# Altium PCB Charge_station.PcbDoc (part 2 of 2)
Units mm, origin at the board's own origin, x right, y up, seen from the top; angles counter-clockwise.
Board outline 126 x 126 mm, 2 copper layers (Top Layer, Bottom Layer), stack 1.09 mm thick; 165 components, 138 nets, 587 pads, 211 vias.
Unrouted connection lines stored in the file: 188.
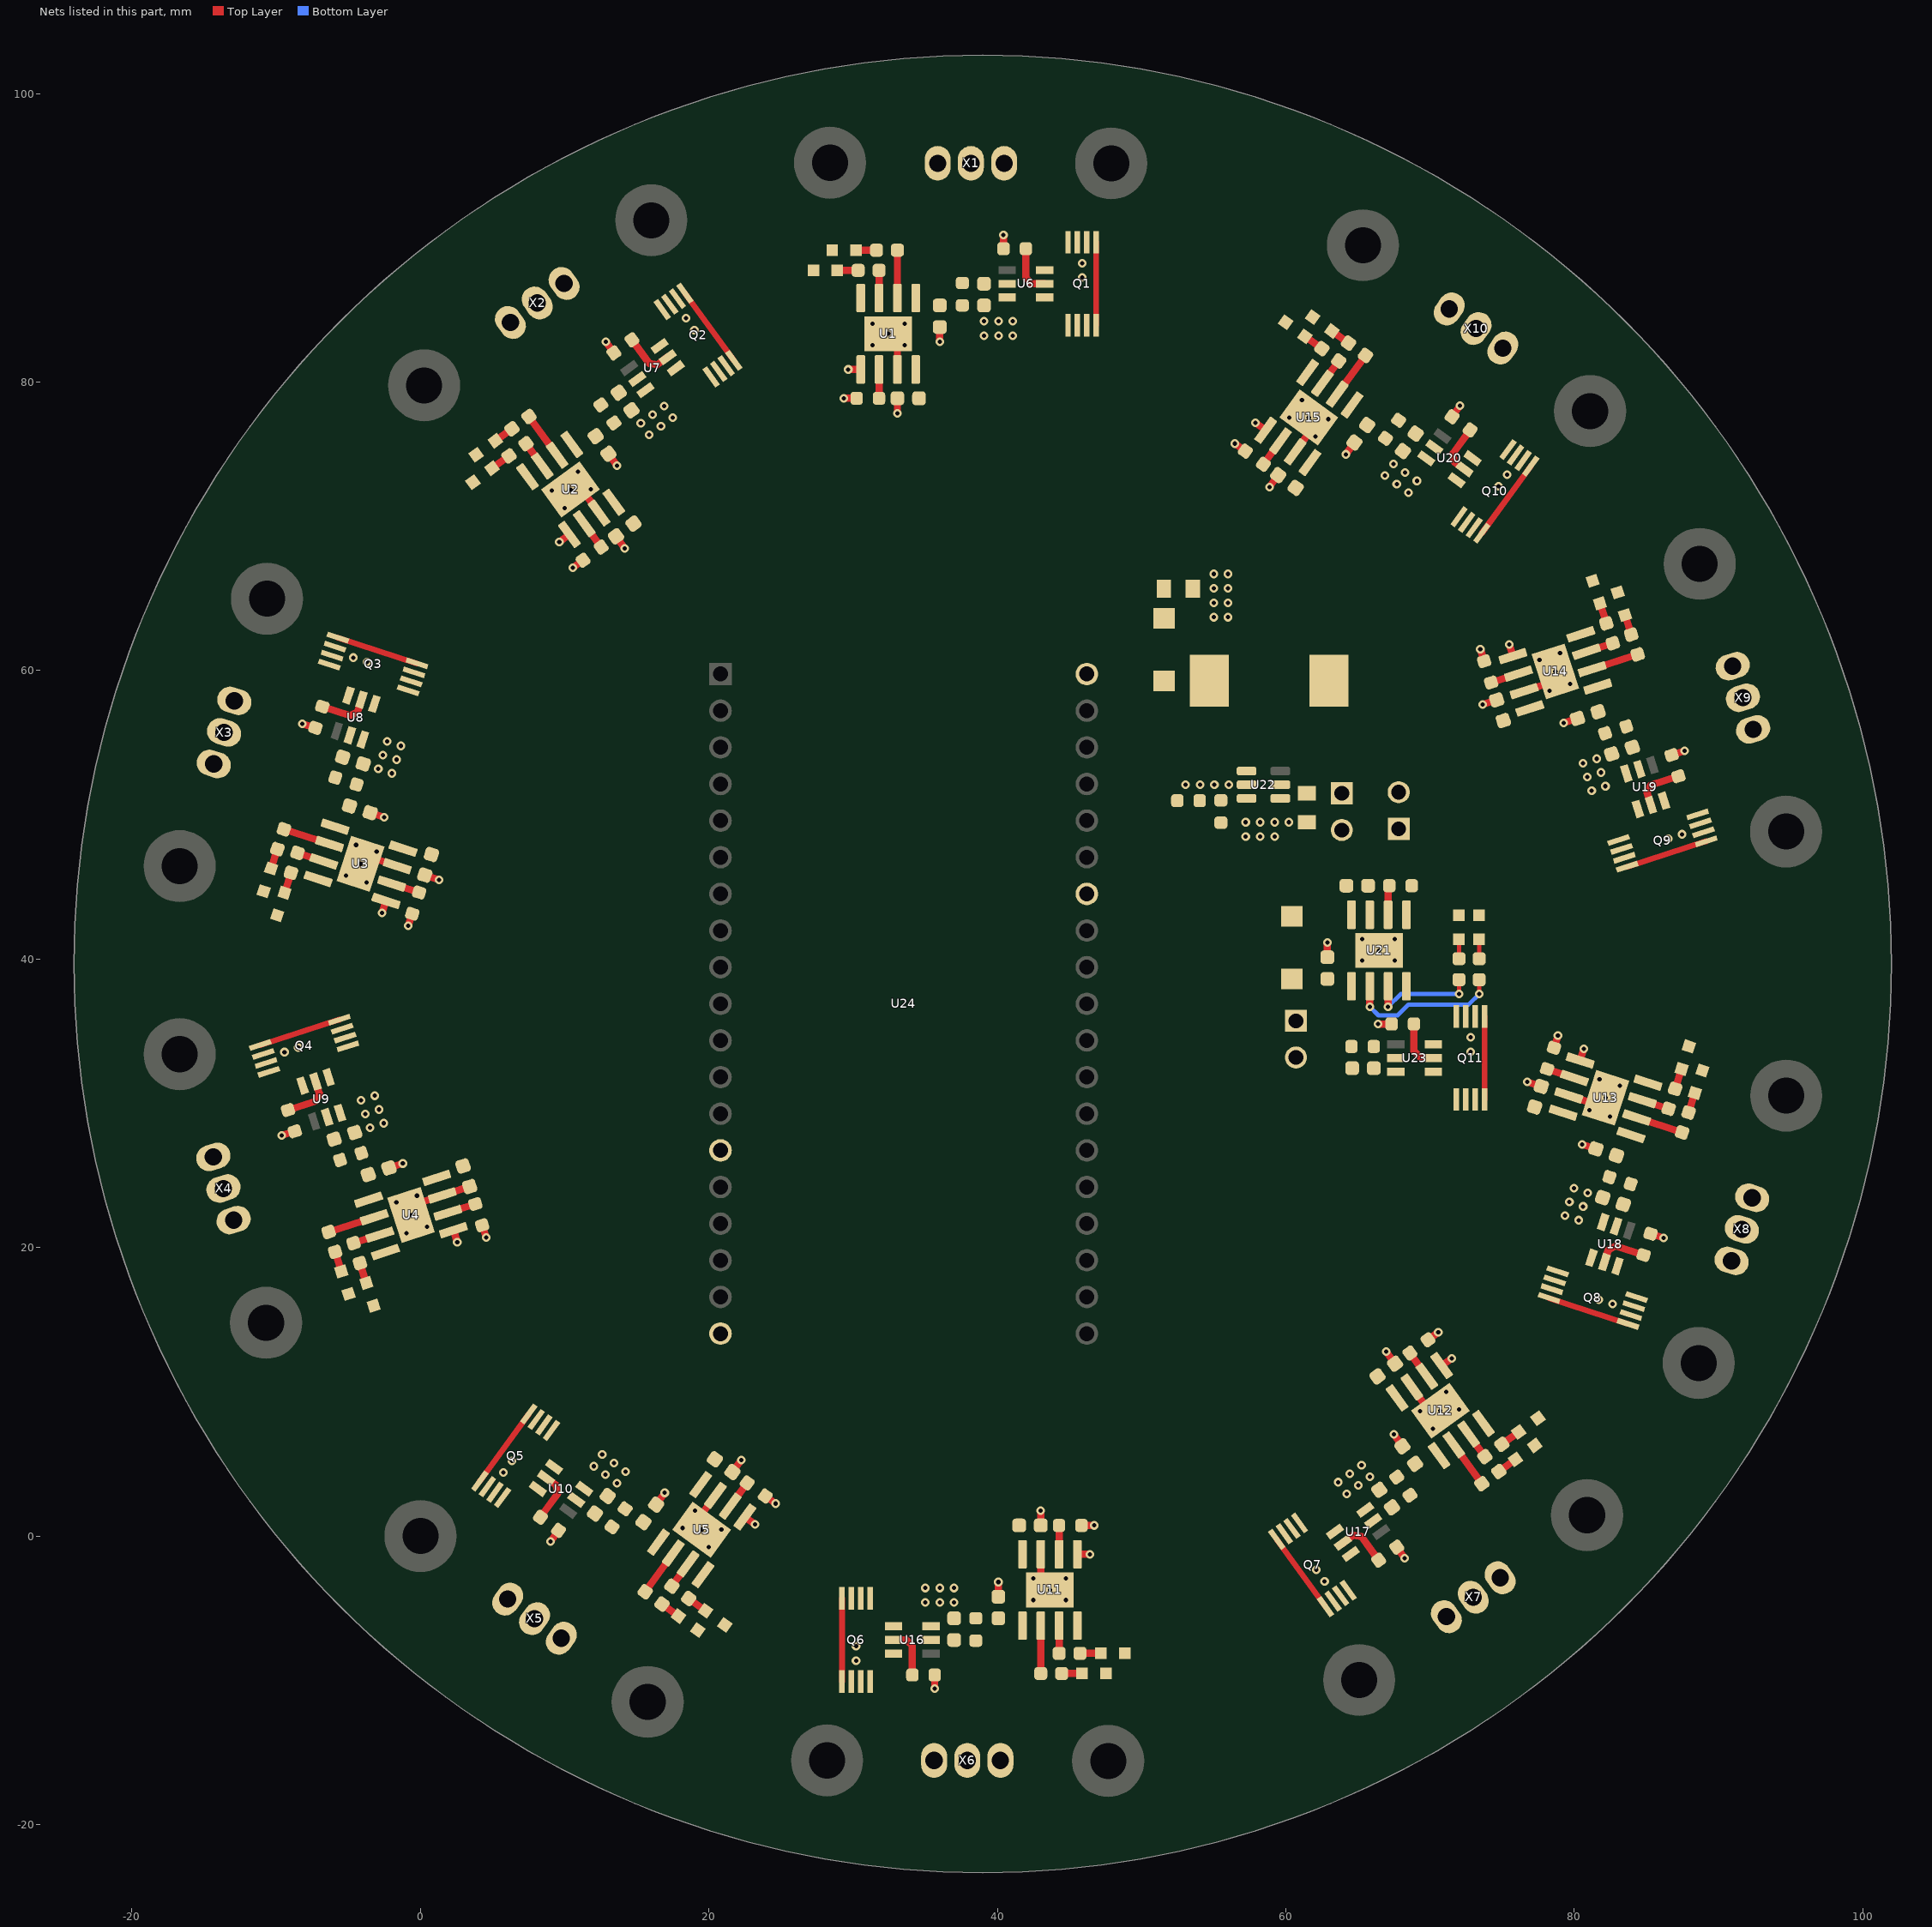
[diagram p2: the nets of this part, all layers, seen from the top]

## Part data
C1 C2 C3 C4 C5 C6 C7 C8 C9 C10 C16 C17 C18 C19 C20 C21 C22 C23 C24 C25 C31 C33: library part 5414, Manufacturer=muRata, ManufacturerPartnumber=GRM188R61C106MAAL, Temp_Range="-55°C to +85°C", Voltage_Range=16V, AuthorCreation_Comp=altium_lib_sch_p, AuthorModification_Comp=altium_lib_sch_p, BOM="Конденсатор 0603 10 uF ±20% 16V X5R    GRM188R61C106MAAL muRata", Comp_Class_Name="Capacitors Chip SMD 0603", Comp_Class_Number=200004, Comp_Description="Capacitor 0603 10 uF ±20% 16V X5R", Comp_ID=200004-119, ComponentLink1Description=MANUFACTURER_URL, ComponentLink1URL=http://psearch.murata.com/capacitor/product/GRM188R60J226MEA0%23.html, Footprint_Description="Chip Capacitor EIA 0603. METRIC 1608, 2-Leads, Body 1,6x0,8mm, IPC Medium Density", HelpURL=\\corp1\RNDlibrary\_Library\Altium_lib\Datasheet\muRata\Chip_Monolithic_Ceramic_Capacitors\c02e.pdf, Human_Readable="Конденсатор 0603 10 uF ±20% 16V X5R", Lib_Description=Capacitor, Number_Base=5414, Precision=±20%, Price=0,0599999986588955, TimeCreation_Comp="18.05.2016 16:00:24", TimeModification_Comp="18.05.2016 16:13:18", Verified=N
C11 C12 C13 C14 C15 C26 C27 C28 C29 C30 C35: library part 6202, Dielectric=X7R, Manufacturer=TDK, ManufacturerPartnumber=C1608X7R1H104K, Temp_Range="-55°C to +125°C", Voltage_Range="50 V", AuthorCreation_Comp=anosova, AuthorModification_Comp=anosova, BOM="Capacitors 0603 0.1 uF ±10% 50V X7R    C1608X7R1H104K TDK", Comp_Class_Name="Capacitors Chip SMD 0603", Comp_Class_Number=200004, Comp_Description="Capacitors 0603 0.1 uF ±10% 50V X7R", Comp_ID=200004-122, ComponentLink1Description=MANUFACTURER_URL, ComponentLink1URL=https://media.digikey.com/pdf/Data%20Sheets/TDK%20PDFs/C_Series_GeneralAppl_B11.pdf, Footprint_Description="Chip Capacitor EIA 0603. METRIC 1608, 2-Leads, Body 1,60x0,8mm, IPC Medium Density", HelpURL=\\corp1\RNDlibrary\_Library\Altium_lib\Datasheet\TDK\Ceramic_Capacitors_C-Series\cseries.pdf, Human_Readable="Capacitors 0603 0.1 uF ±10% 50V X7R", Lib_Description=Capacitor, Number_Base=6202, Precision="± 10%", TimeCreation_Comp="29.10.2021 11:15:01", TimeModification_Comp="29.10.2021 11:29:43", Verified=N
C32 C34: library part 4014, Dielectric=X7R, Manufacturer=muRata, ManufacturerPartnumber=GRM21BR71A106KE51L, Temp_Range="-55 to 125°C", Voltage_Range=10V, BOM="Конденсатор 0805 10 uF ±10% 10V X7R    GRM21BR71A106KE51L muRata", Comp_Class_Name="Capacitors Chip SMD 0805", Comp_Class_Number=200005, Comp_Description="Capacitors 0805 10 uF ±10% 10V X7R", Comp_ID=200005-0069, ComponentLink1Description=MANUFACTURER_URL, ComponentLink1URL=http://www.murata.com/products/catalog/pdf/c02e.pdf, Footprint_Description="Chip Capacitor EIA 0805. METRIC 2012, 2-Leads, Body 2,0x1,2mm, IPC Medium Density", HelpURL=\\corp1\RNDlibrary\_Library\Altium_lib\Datasheet\muRata\Chip_Monolithic_Ceramic_Capacitors\Chip_Monolithic_Ceramic_Capacitors.pdf, Human_Readable="Конденсатор 0805 10 uF ±10% 10V X7R", Lib_Description=Capacitor, Number_Base=4014, Precision=±10%, TimeModification_Comp="07.12.2011 12:55:51"
D1 D2 D3 D4 D5 D6 D7 D8 D9 D10 D11 D12 D13 D14 D15 D16 D17 D18 D19 D20 D23 D24: "Red - LED Indication - Discrete 1.7V 0805 (2012 Metric)", Package="0805 Visual Communications", Availability="In Stock", Check_prices=https://www.snapeda.com/parts/7012X1/Visual+Communications/view-part/?ref=eda, MF=VCC, MP=7012X1, Price=None, Purchase-URL=https://pricing.snapeda.com/search/part/7012X1/?ref=eda, SnapEDA_Link=https://www.snapeda.com/parts/7012X1/Visual+Communications/view-part/?ref=snap
D21 D22: "3A, 40V, Schottky Rectifier", Package="DO-221AC Taiwan Semiconductor", Availability="Not in stock", Check_prices=https://www.snapeda.com/parts/SS34ALH/Taiwan+Semiconductor/view-part/?ref=eda, MF="Taiwan Semiconductor", MP=SS34ALH, Price=None, SnapEDA_Link=https://www.snapeda.com/parts/SS34ALH/Taiwan+Semiconductor/view-part/?ref=snap
L1: Package=None, Check_prices=https://www.snapeda.com/parts/B82464G4223M000/TM+Electronics/view-part/?ref=eda, MF="TDK ELECTRONICS", MP=B82464G4223M000, Purchase-URL=https://pricing.snapeda.com/search/part/B82464G4223M000/?ref=eda, SnapEDA_Link=https://www.snapeda.com/parts/B82464G4223M000/TM+Electronics/view-part/?ref=snap
Q1 Q2 Q3 Q4 Q5 Q6 Q7 Q8 Q9 Q10 Q11: "N/A", Package=Package, Availability="Not in stock", Check_prices=https://www.snapeda.com/parts/FS8205A/Fortune+Semiconductor/view-part/?ref=eda, MF="Fortune Semiconductor", MP=FS8205A, Price=None, SnapEDA_Link=https://www.snapeda.com/parts/FS8205A/Fortune+Semiconductor/view-part/?ref=snap
R1 R2 R3 R4 R5 R26 R27 R28 R29 R30: library part 99, Manufacturer=Yageo, ManufacturerPartnumber=RC0603JR-0712KL, Power_Range=0.1W, Temp_Range="-55 °C to +155 °C", BOM="Резистор 0603 5% E24 12 кОм    RC0603JR-0712KL Yageo", Comp_Class_Name="Resistors Chip SMD 0603 5% E24", Comp_Class_Number=10000403, Comp_Description="Resistor 0603 5% E24 12 kOm", Comp_ID=10000403-099, ComponentLink1Description=MANUFACTURER_URL, ComponentLink1URL=http://www.yageo.com/documents/recent/PYu-RC0603_51_RoHS_L_4.pdf, Footprint_Description="Chip Resistor EIA 0603. METRIC 1608, 2-Leads, Body 1,6x0,8mm, IPC Medium Density", HelpURL=\\CORP1\RNDlibrary\_Library\Altium_lib\Datasheet\Yageo\RC0603\PYu-RC0603_51_RoHS_L_4.pdf, Human_Readable="Резистор 0603 5% E24 12 кОм", Lib_Description=Resistor, Number_Base=99, Precision=5%, Price=0,00600000005215406, TimeModification_Comp="06.12.2011 13:32:14", Verified=N
R6 R7 R8 R9 R10 R31 R32 R33 R34 R35 R54: library part 362, Manufacturer=Yageo, ManufacturerPartnumber=RC0603FR-07100RL, Power_Range=0.1W, Temp_Range="-55 °C to +155 °C", BOM="Резистор 0603 1% E96 100 Ом    RC0603FR-07100RL Yageo", Comp_Class_Name="Resistors Chip SMD 0603 1% E96", Comp_Class_Number=10000401, Comp_Description="Resistor 0603 1% E96 100 Om", Comp_ID=1041-193, ComponentLink1Description=MANUFACTURER_URL, ComponentLink1URL=http://www.yageo.com/documents/recent/PYu-RC0603_51_RoHS_L_4.pdf, Footprint_Description="Chip Resistor EIA 0603. METRIC 1608, 2-Leads, Body 1,6x0,8mm, IPC Medium Density", HelpURL=\\CORP1\RNDlibrary\_Library\Altium_lib\Datasheet\Yageo\RC0603\PYu-RC0603_51_RoHS_L_4.pdf, Human_Readable="Резистор 0603 1% E96 100 Ом", Lib_Description=Resistor, Number_Base=362, Precision=1%, Price=0,00600000005215406, TimeModification_Comp="09.12.2011 8:18:43"
R11 R12 R13 R14 R15 R16 R17 R18 R19 R20 R21 R22 R23 R24 R25 R36 R37 R38 R39 R40 R41 R42 R43 R44 R45 R46 R47 R48 R49 R50 R53 R55 R56 R57: library part 458, Manufacturer=Yageo, ManufacturerPartnumber=RC0603FR-071K00L, Power_Range=0.1W, Temp_Range="-55 °C to +155 °C", BOM="Резистор 0603 1% E96 1 кОм    RC0603FR-071K00L Yageo", Comp_Class_Name="Resistors Chip SMD 0603 1% E96", Comp_Class_Number=10000401, Comp_Description="Resistor 0603 1% E96 1 kOm", Comp_ID=1041-289, ComponentLink1Description=MANUFACTURER_URL, ComponentLink1URL=http://www.yageo.com/documents/recent/PYu-RC0603_51_RoHS_L_4.pdf, Footprint_Description="Chip Resistor EIA 0603. METRIC 1608, 2-Leads, Body 1,6x0,8mm, IPC Medium Density", HelpURL=\\CORP1\RNDlibrary\_Library\Altium_lib\Datasheet\Yageo\RC0603\PYu-RC0603_51_RoHS_L_4.pdf, Human_Readable="Резистор 0603 1% E96 1 кОм", Lib_Description=Resistor, Number_Base=458, Precision=1%, Price=0,00600000005215406, TimeModification_Comp="09.12.2011 8:18:44"
R51: library part 75, Manufacturer=Yageo, ManufacturerPartnumber=RC0603JR-071K2L, Power_Range=0.1W, Temp_Range="-55 °C to +155 °C", BOM="Резистор 0603 5% E24 1,2 кОм    RC0603JR-071K2L Yageo", Comp_Class_Name="Resistors Chip SMD 0603 5% E24", Comp_Class_Number=10000403, Comp_Description="Resistor 0603 5% E24 1.2 kOm", Comp_ID=10000403-075, ComponentLink1Description=MANUFACTURER_URL, ComponentLink1URL=http://www.yageo.com/documents/recent/PYu-RC0603_51_RoHS_L_4.pdf, Footprint_Description="Chip Resistor EIA 0603. METRIC 1608, 2-Leads, Body 1,6x0,8mm, IPC Medium Density", HelpURL=\\CORP1\RNDlibrary\_Library\Altium_lib\Datasheet\Yageo\RC0603\PYu-RC0603_51_RoHS_L_4.pdf, Human_Readable="Резистор 0603 5% E24 1,2 кОм", Lib_Description=Resistor, Number_Base=75, Precision=5%, Price=0,00600000005215406, TimeModification_Comp="06.12.2011 13:32:14", Verified=N
R52: library part 542, Manufacturer=Yageo, ManufacturerPartnumber=RC0603FR-077K50L, Power_Range=0.1W, Temp_Range="-55 °C to +155 °C", BOM="Резистор 0603 1% E96 7,5 кОм    RC0603FR-077K50L Yageo", Comp_Class_Name="Resistors Chip SMD 0603 1% E96", Comp_Class_Number=10000401, Comp_Description="Resistor 0603 1% E96 7.5 kOm", Comp_ID=1041-373, ComponentLink1Description=MANUFACTURER_URL, ComponentLink1URL=http://www.yageo.com/documents/recent/PYu-RC0603_51_RoHS_L_4.pdf, Footprint_Description="Chip Resistor EIA 0603. METRIC 1608, 2-Leads, Body 1,6x0,8mm, IPC Medium Density", HelpURL=\\CORP1\RNDlibrary\_Library\Altium_lib\Datasheet\Yageo\RC0603\PYu-RC0603_51_RoHS_L_4.pdf, Human_Readable="Резистор 0603 1% E96 7,5 кОм", Lib_Description=Resistor, Number_Base=542, Precision=1%, Price=0,00600000005215406, TimeModification_Comp="09.12.2011 8:18:44"
U1 U2 U3 U4 U5 U11 U12 U13 U14 U15 U21: "Complete single cell Li-Ion battery with a constant current / constant voltage linear charger", Package=Package, Availability="Not in stock", Check_prices=https://www.snapeda.com/parts/TP4056/NanJing+Top+Power+ASIC+Corp./view-part/?ref=eda, MF="NanJing Top Power ASIC Corp.", MP=TP4056, Price=None, SnapEDA_Link=https://www.snapeda.com/parts/TP4056/NanJing+Top+Power+ASIC+Corp./view-part/?ref=snap
U6 U7 U8 U9 U10 U16 U17 U18 U19 U20 U23: "One Cell Lithium-ion/Polymer Battery Protection IC", Package="SOT-23-6 Fortune Semiconductor", Check_prices=https://www.snapeda.com/parts/DW01A/Fortune+Semiconductor/view-part/?ref=eda, MF="Fortune Semiconductor", MP=DW01A, SnapEDA_Link=https://www.snapeda.com/parts/DW01A/Fortune+Semiconductor/view-part/?ref=snap
U22: "High Efficiency 1.2MHz2A Step Up Converter", Package=Package, Availability="Not in stock", Check_prices=https://www.snapeda.com/parts/MT3608/Aerosemi+Technology+Co.%252C+Ltd/view-part/?ref=eda, MF="Aerosemi Technology Co., Ltd", MP=MT3608, Price=None, SnapEDA_Link=https://www.snapeda.com/parts/MT3608/Aerosemi+Technology+Co.%252C+Ltd/view-part/?ref=snap
U24: "WiFi Development Tools (802.11) ESP32 General Development Kit, ESP32-WROOM-32D on the board", Package=None, Check_prices=https://www.snapeda.com/parts/ESP32-DEVKITC-32D/Espressif+Systems/view-part/?ref=eda, MF="Espressif Systems", MP=ESP32-DEVKITC-32D, SnapEDA_Link=https://www.snapeda.com/parts/ESP32-DEVKITC-32D/Espressif+Systems/view-part/?ref=snap
X1 X2 X3 X4 X5 X6 X7 X8 X9 X10: "Выводы под плату зарядки"
X11 X12 X13: "Коннектор двухконтактный", Manufacturer=Robiton, ManufacturerPartnumber=LP401230, BOM="Аккумулятор литий ионный    LP401230 Robiton", Footprint_Description=Custom, Human_Readable="Аккумулятор литий ионный"

## Free pads (board coordinates)
  round 5 hole 2.5: 0(-16.691,33.408) 0(-16.69,46.449) 0(-10.705,14.788) 0(-10.642,64.981) 0(0,0) 0(0.254,79.775) 0(15.751,-11.496) 0(16.004,91.221) 0(28.189,-15.553) 0(28.392,95.207) 0(47.679,-15.589) 0(47.892,95.165) 0(65.082,-9.977) 0(65.34,89.486) 0(80.882,1.451) 0(81.091,77.99) 0(88.621,12) 0(88.696,67.397) 0(94.681,48.838) 0(94.687,30.532)

## Via types
v1: diameter 0.6, hole 0.3, Top Layer to Bottom Layer, tented both sides, 211 vias

## Nets (pads, with @x,y where several pads share a name; then routed paths per layer and width w, separated by ;. In a path a pad name is that pad's centre, name@x,y a point inside that pad or via, vN(x,y) a via of type N, cw(c..) or ccw(c..) an arc to the next point about the centre after c; other vN are vias at no path point)
5V: C1.2 C2.2 C3.2 C4.2 C5.2 C16.2 C17.2 C18.2 C19.2 C20.2 C34.2 D1.A D2.A D3.A D4.A D5.A D6.A D7.A D8.A D9.A D10.A D11.A D12.A D13.A D14.A D15.A D16.A D17.A D18.A D19.A D20.A D21.1 D23.A D24.A R52.2 U1.4 U1.8 U2.4 U2.8 U3.4 U3.8 U4.4 U4.8 U5.4 U5.8 U11.4 U11.8 U12.4 U12.8 U13.4 U13.8 U14.4 U14.8 U15.4 U15.8 U24.J2-19
BAT_GND_MAIN: C35.1 Q11.6 Q11.7 U23.6 X13.2
BAT_GND_WS1: C13.1 Q1.6 Q1.7 U6.6 X1.3
  other v1: 39.072,83.218 40.072,83.218 41.072,83.218 39.072,84.218 40.072,84.218 41.072,84.218
BAT_GND_WS2: C14.1 Q2.6 Q2.7 U7.6 X2.3
  other v1: 15.862,76.352 16.671,76.94 15.274,77.161 17.48,77.528 16.083,77.749 16.892,78.337
BAT_GND_WS3: C15.1 Q3.6 Q3.7 U8.6 X3.3
  other v1: -1.969,52.878 -2.92,53.188 -1.659,53.829 -2.61,54.139 -1.35,54.78 -2.301,55.089
BAT_GND_WS4: C11.1 Q4.6 Q4.7 U9.6 X4.3
  other v1: -3.509,28.315 -2.557,28.621 -3.815,29.267 -2.863,29.573 -4.121,30.219 -3.169,30.525
BAT_GND_WS5: C12.1 Q5.6 Q5.7 U10.6 X5.3
  other v1: 13.626,3.662 12.818,4.251 14.216,4.47 12.01,4.84 13.408,5.059 12.6,5.648
BAT_GND_WS6: C26.1 Q6.6 Q6.7 U16.6 X6.3
  other v1: 35,-4.6 36,-4.6 37,-4.6 35,-3.6 36,-3.6 37,-3.6
BAT_GND_WS7: C27.1 Q7.6 Q7.7 U17.6 X7.3
  other v1: 64.211,2.928 65.021,3.514 63.625,3.738 65.831,4.1 64.435,4.324 65.245,4.91
BAT_GND_WS8: C28.1 Q8.6 Q8.7 U18.6 X8.3
  other v1: 80.3,21.901 79.35,22.212 80.611,22.852 79.66,23.162 80.921,23.802 79.971,24.113
BAT_GND_WS9: C29.1 Q9.6 Q9.7 U19.6 X9.3
  other v1: 81.206,51.678 82.157,51.985 80.899,52.63 81.85,52.937 80.592,53.581 81.543,53.888
BAT_GND_WS10: C30.1 Q10.6 Q10.7 U20.6 X10.3
  other v1: 68.493,72.343 67.685,72.932 69.082,73.151 66.877,73.521 68.274,73.74 67.466,74.329
BAT_MAIN: C33.2 D22.2 R54.2 U21.5 X13.1
Charge_Bat_WS_1: C9.2 R9.2 U1.5 X1.1 X1.2
Charge_Bat_WS_2: C10.2 R10.2 U2.5 X2.1 X2.2
Charge_Bat_WS_3: C6.2 R6.2 U3.5 X3.1 X3.2
Charge_Bat_WS_4: C7.2 R7.2 U4.5 X4.1 X4.2
Charge_Bat_WS_5: C8.2 R8.2 U5.5 X5.1 X5.2
Charge_Bat_WS_6: C21.2 R31.2 U11.5 X6.1 X6.2
Charge_Bat_WS_7: C22.2 R32.2 U12.5 X7.1 X7.2
Charge_Bat_WS_8: C23.2 R33.2 U13.5 X8.1 X8.2
Charge_Bat_WS_9: C24.2 R34.2 U14.5 X9.1 X9.2
Charge_Bat_WS_10: C25.2 R35.2 U15.5 X10.1 X10.2
CHRG_1: R12.1 U1.7 | length 1.9
  Top Layer w0.5: U1.7@31.795,85.828 R12.1@31.795,87.746
CHRG_2: R14.1 U2.7 | length 1.9
  Top Layer w0.5: R14.1@7.314,75.735 U2.7@8.442,74.184
CHRG_3: R16.1 U3.7 | length 1.9
  Top Layer w0.5: R16.1@-8.528,47.361 U3.7@-6.704,46.767
CHRG_4: R18.1 U4.7 | length 1.9
  Top Layer w0.5: R18.1@-4.64,20.307 U4.7@-2.813,20.895
CHRG_5: R20.1 U5.7 | length 1.9
  Top Layer w0.5: R20.1@17.427,-3.476 U5.7@18.558,-1.926
CHRG_6: R37.1 U11.7 | length 1.9
  Top Layer w0.5: R37.1@44.277,-8.128 U11.7@44.277,-6.21
CHRG_7: R39.1 U12.7 | length 1.9
  Top Layer w0.5: U12.7@72.67,7.063 R39.1@73.795,5.509
CHRG_8: R41.1 U13.7 | length 1.9
  Top Layer w0.5: U13.7@84.711,30.22 R41.1@86.535,29.624
CHRG_9: R43.1 U14.7 | length 1.9
  Top Layer w0.5: U14.7@80.841,61.308 R43.1@82.667,61.897
CHRG_10: R45.1 U15.7 | length 1.9
  Top Layer w0.5: U15.7@62.535,79.917 R45.1@63.665,81.468
CHRG_M: R56.1 U21.7 | length 7.7
  Top Layer w0.3: v1(72,37.575) R56.1@72,38.575
  Top Layer w0.5: v1(67.086,36.7) U21.7@67.086,38.12
  Bottom Layer w0.3: v1(67.086,36.7) 67.961,37.575 v1(72,37.575)
GND: C1.1 C2.1 C3.1 C4.1 C5.1 C6.1 C7.1 C8.1 C9.1 C10.1 C16.1 C17.1 C18.1 C19.1 C20.1 C21.1 C22.1 C23.1 C24.1 C25.1 C31.1 C32.1 C33.1 C34.1 Q1.2 Q1.3 Q2.2 Q2.3 Q3.2 Q3.3 Q4.2 Q4.3 Q5.2 Q5.3 Q6.2 Q6.3 Q7.2 Q7.3 Q8.2 Q8.3 Q9.2 Q9.3 Q10.2 Q10.3 Q11.2 Q11.3 R1.1 R2.1 R3.1 R4.1 R5.1 R21.1 R22.1 R23.1 R24.1 R25.1 R26.1 R27.1 R28.1 R29.1 R30.1 R46.1 R47.1 R48.1 R49.1 R50.1 R51.1 R53.1 R57.1 U1.1 U1.3 U1.9 U2.1 U2.3 U2.9 U3.1 U3.3 U3.9 U4.1 U4.3 U4.9 U5.1 U5.3 U5.9 U11.1 U11.3 U11.9 U12.1 U12.3 U12.9 U13.1 U13.3 U13.9 U14.1 U14.3 U14.9 U15.1 U15.3 U15.9 U21.1 U21.3 U21.9 U22.2 U24.J2-14 U24.J3-1 U24.J3-7 X11.2 | length 82.1
  Top Layer w0.5: v1(-9.613,27.77) R24.1@-8.709,28.061 ; v1(-8.187,56.323) R23.1@-7.283,56.028 ; v1(-4.154,46.604) -3.957,47.208 U3.3@-1.604,46.442 ; C6.1@-3.489,50.148 v1(-2.524,49.833) ; v1(-2.658,43.204) U3.1@-2.391,44.027 ; C7.1@-2.189,25.518 v1(-1.223,25.829) ; v1(-0.85,42.3) R3.1@-0.576,43.141 ; v1(-0.652,22.257) -0.846,22.862 -0.084,23.106 U4.3@1.51,23.619 2.138,23.821 3.2,24.163 C4.1@3.414,24.232 ; C3.1@0.298,45.823 v1(1.282,45.502) ; U4.1@2.288,21.201 v1(2.553,20.378) ; R4.1@4.277,21.547 v1(4.548,20.705) ; v1(9.013,-0.373) R25.1@9.573,0.394 ; v1(9.626,68.925) U2.1@10.326,69.433 ; v1(10.411,72.555) 10.924,72.929 U2.3@12.38,70.927 ; v1(10.56,67.13) R2.1@11.275,67.651 ; v1(12.85,82.79) R22.1@13.409,82.022 ; C10.1@13.029,75.034 v1(13.626,74.213) ; C2.1@13.556,69.309 v1(14.165,68.472) ; C8.1@16.34,2.178 v1(16.938,2.999) ; v1(19.503,0.448) 18.99,0.822 U5.3@20.448,2.822 ; C5.1@21.626,4.438 v1(22.236,5.274) ; U5.1@22.5,1.325 v1(23.199,0.816) ; R5.1@23.905,2.776 v1(24.62,2.255) ; v1(29.36,78.878) R1.1@30.245,78.878 ; v1(29.66,80.878) U1.1@30.525,80.878 ; v1(32.43,83.353) 33.065,83.353 U1.3@33.065,80.878 ; v1(33.065,77.843) C1.1@33.065,78.878 ; v1(35.65,-10.578) R46.1@35.65,-9.628 ; v1(36.005,82.803) C9.1@36.005,83.818 ; C21.1@40.067,-4.2 v1(40.067,-3.185) ; R21.1@40.422,89.246 v1(40.422,90.196) ; U11.3@43.007,-1.26 43.007,-3.735 v1(43.642,-3.735) ; C16.1@43.007,0.74 v1(43.007,1.775) ; U11.1@45.547,-1.26 v1(46.412,-1.26) ; R26.1@45.827,0.74 v1(46.712,0.74) ; v1(56.473,75.736) R30.1@57.188,75.215 ; v1(57.893,77.176) U15.1@58.592,76.666 ; v1(58.857,72.717) C20.1@59.466,73.553 ; U15.3@60.645,75.17 62.103,77.169 v1(61.59,77.543) ; C33.1@62.876,40.13 v1(62.876,41.145) ; v1(64.154,74.993) C25.1@64.752,75.813 ; U21.9@65.816,40.595 v1(66.451,40.595) ; v1(66.4,35.5) R57.1@67.325,35.5 ; v1(66.959,12.787) C17.1@67.566,11.948 ; v1(67.486,7.045) C22.1@68.081,6.223 ; R47.1@67.686,-0.765 v1(68.243,-1.534) ; U12.3@68.739,10.328 70.19,8.323 v1(70.704,8.695) ; R27.1@69.85,13.602 v1(70.567,14.121) ; U12.1@70.796,11.817 v1(71.497,12.324) ; R50.1@71.519,77.597 v1(72.079,78.365) ; v1(73.479,61.491) R29.1@73.751,60.649 ; v1(73.632,57.647) C19.1@74.617,57.965 ; v1(75.475,61.82) U14.1@75.74,60.997 ; U14.3@76.52,58.579 78.876,59.339 v1(78.681,59.944) ; v1(76.726,31.492) C18.1@77.71,31.17 ; R28.1@78.586,33.851 v1(78.86,34.692) ; v1(79.255,56.373) C24.1@80.221,56.684 ; U13.3@79.611,30.549 81.964,29.781 v1(82.161,30.384) ; U13.1@80.4,32.964 v1(80.668,33.786) ; v1(80.528,27.157) C23.1@81.493,26.842 ; R48.1@85.282,20.958 v1(86.185,20.663) ; R49.1@86.743,54.148 v1(87.648,54.439)